# KiCad board DIP8breakout+potToUSB.kicad_pcb (continued)
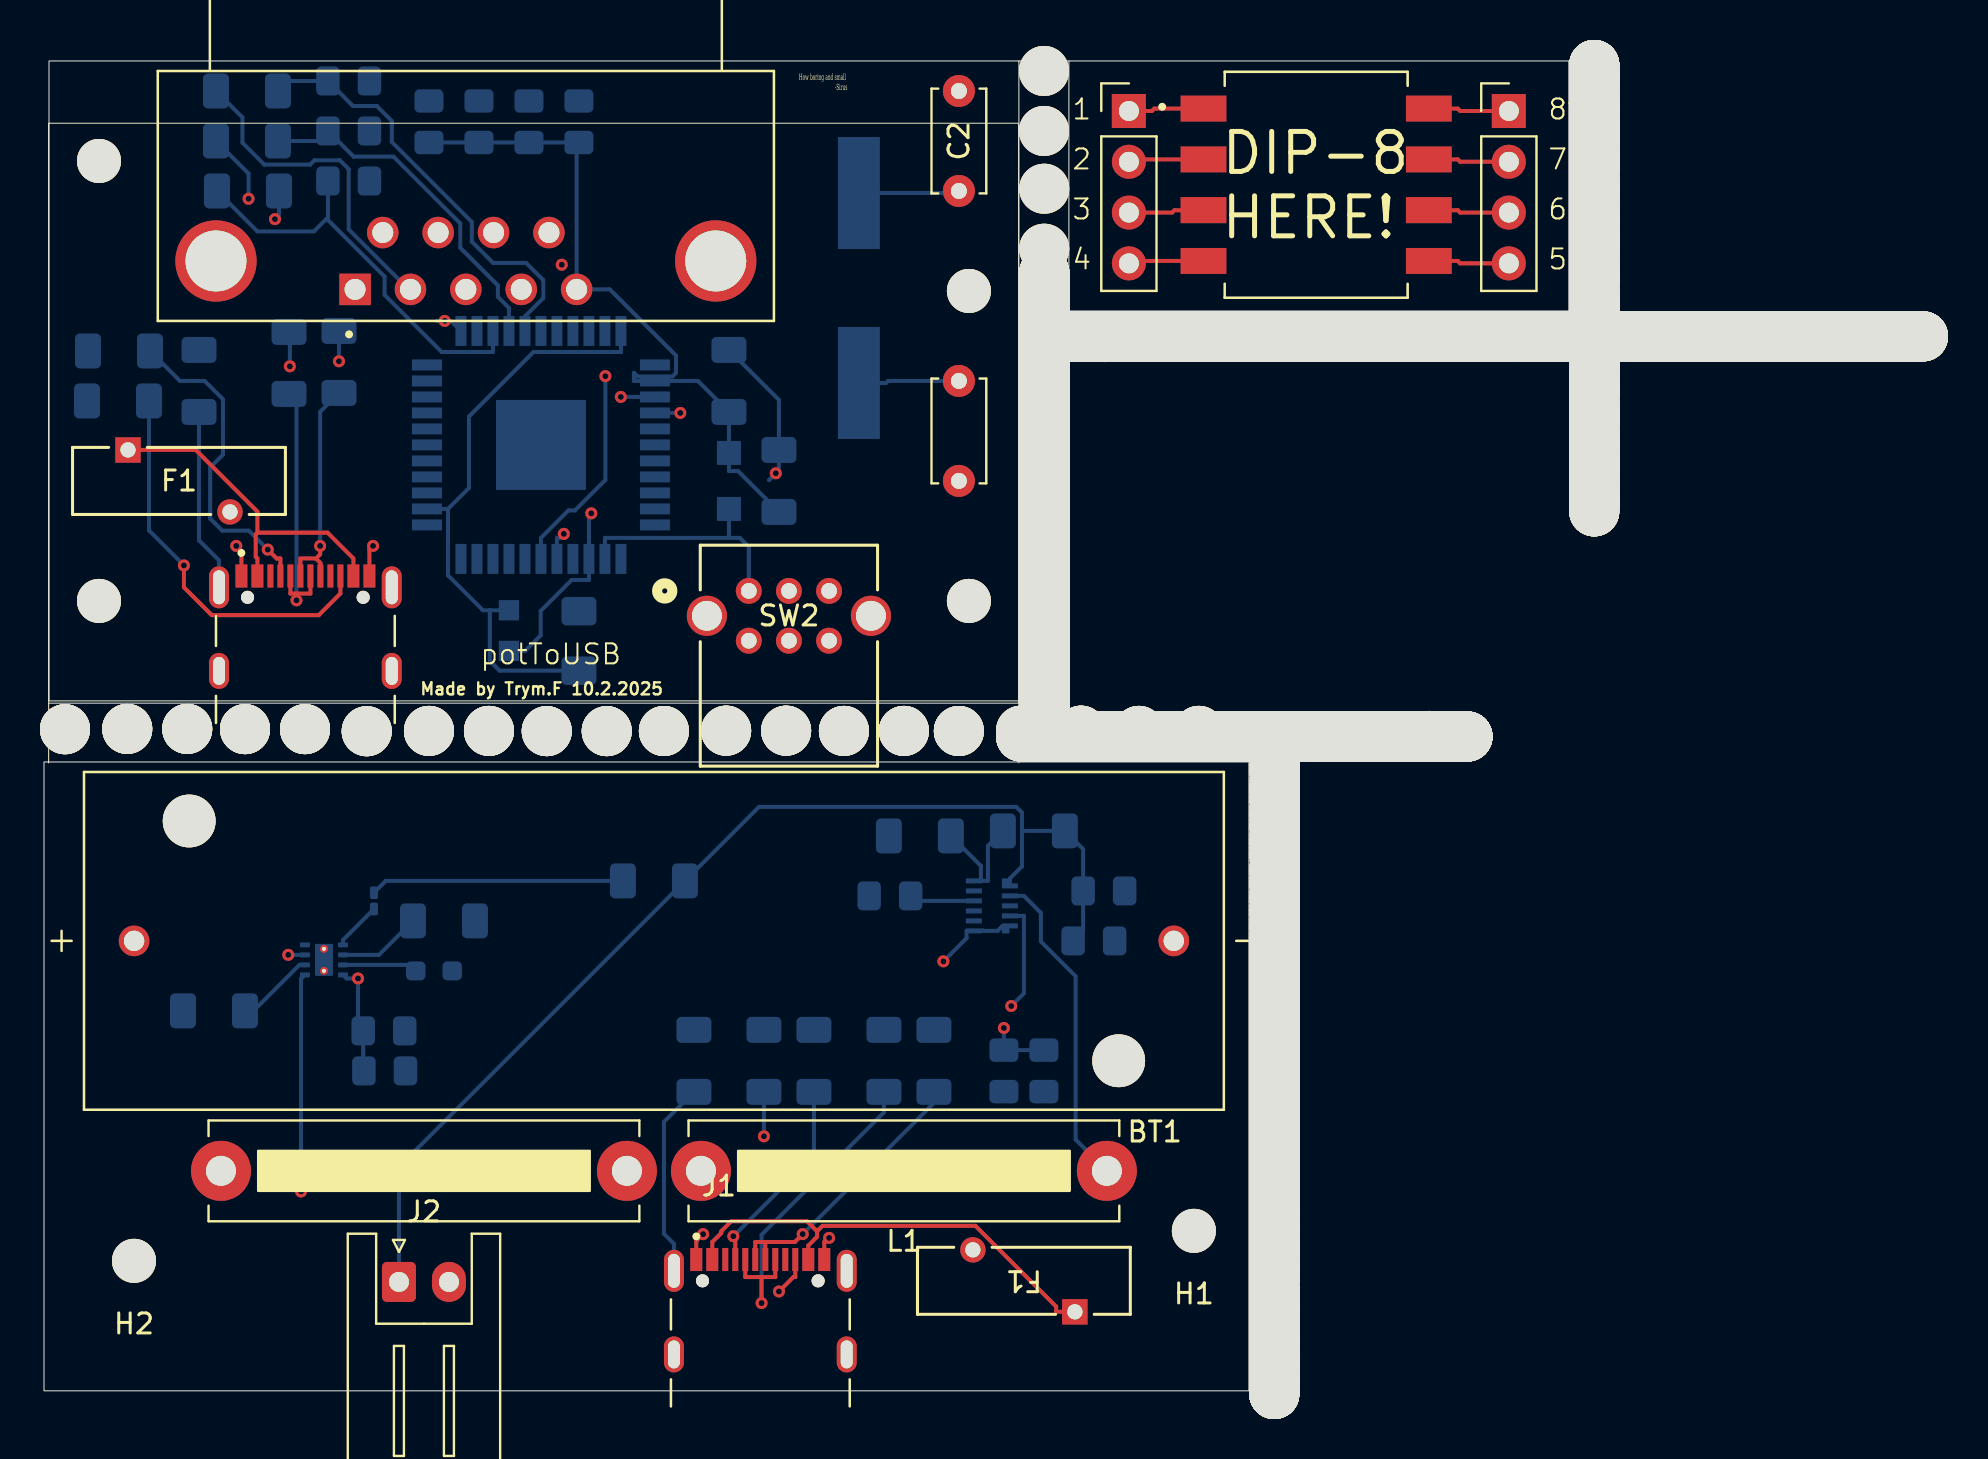
[diagram p0: board, top side]
## Placement (name value [footprint] x y rotation side) (continued)
NOREF#4409  -  [unnamed]  83.76 52.73 180 top
NOREF#4410  -  [unnamed]  73.04 52.73 180 top
NOREF#4411  -  [unnamed]  62.58 52.73 180 top
NOREF#4412  -  [unnamed]  61.52 11.1 270 top
NOREF#4413  -  [unnamed]  50.02 40.09 90 top
NOREF#4414  -  [unnamed]  53.22 32.72 0 top
NOREF#4415  -  [unnamed]  61.52 7.28 270 top
NOREF#4416  -  [unnamed]  50.02 43.05 90 top
NOREF#4417  -  [unnamed]  93.76 52.73 180 top
NOREF#4418  -  [unnamed]  61.55 15.03 90 top
NOREF#4419  -  [unnamed]  83.3 52.73 180 top
NOREF#4420  -  [unnamed]  50.02 40.83 90 top
NOREF#4421  -  [unnamed]  61.52 21.76 270 top
NOREF#4422  -  [unnamed]  50.02 41.49 90 top
NOREF#4423  -  [unnamed]  61.78 52.73 180 top
NOREF#4424  -  [unnamed]  77.52 51.68 90 top
NOREF#4425  -  [unnamed]  77.52 57.04 90 top
NOREF#4426  -  [unnamed]  61.55 30.13 90 top
NOREF#4427  -  [unnamed]  50.02 43.99 90 top
NOREF#4428  -  [unnamed]  53.38 52.73 180 top
NOREF#4429  -  [unnamed]  72.78 52.73 180 top
NOREF#4430  -  [unnamed]  61.52 7.08 270 top
NOREF#4431  -  [unnamed]  61.52 1.1 270 top
NOREF#4432  -  [unnamed]  61.55 12.97 90 top
NOREF#4433  -  [unnamed]  61.58 52.73 180 top
NOREF#4434  -  [unnamed]  61.52 11.5 270 top
NOREF#4435  -  [unnamed]  61.52 11.3 270 top
NOREF#4436  -  [unnamed]  50.02 50.89 90 top
NOREF#4437  -  [unnamed]  86.72 52.73 180 top
NOREF#4438  -  [unnamed]  52.52 52.73 180 top
NOREF#4439  -  [unnamed]  61.52 9.5 270 top
NOREF#4440  -  [unnamed]  50.02 34.45 90 top
NOREF#4441  -  [unnamed]  89.4 52.73 180 top
NOREF#4442  -  [unnamed]  61.55 17.05 90 top
NOREF#4443  -  [unnamed]  87.26 52.73 180 top
NOREF#4444  -  [unnamed]  50.02 43.79 90 top
NOREF#4445  -  [unnamed]  61.52 9.84 270 top
NOREF#4446  -  [unnamed]  73.9 52.73 180 top
NOREF#4447  -  [unnamed]  61.55 28.97 90 top
NOREF#4448  -  [unnamed]  78.88 52.73 180 top
NOREF#4449  -  [unnamed]  77.52 54.64 90 top
NOREF#4450  -  [unnamed]  50.02 55.91 90 top
NOREF#4451  -  [unnamed]  77.48 52.73 180 top
NOREF#4452  -  [unnamed]  61.55 10.87 90 top
NOREF#4453  -  [unnamed]  62.58 32.72 0 top
NOREF#4454  -  [unnamed]  70.12 32.72 0 top
NOREF#4455  -  [unnamed]  71.38 52.73 180 top
NOREF#4456  -  [unnamed]  82.5 52.73 180 top
NOREF#4457  -  [unnamed]  61.55 10.87 90 top
NOREF#4458  -  [unnamed]  61.55 26.09 90 top
NOREF#4459  -  [unnamed]  55.76 32.72 0 top
NOREF#4460  -  [unnamed]  77.68 52.73 180 top
NOREF#4461  -  [unnamed]  61.55 31.93 90 top
NOREF#4462  -  [unnamed]  65.54 52.73 180 top
NOREF#4463  -  [unnamed]  50.02 45.45 90 top
NOREF#4464  -  [unnamed]  61.18 32.72 0 top
NOREF#4465  -  [unnamed]  61.55 28.51 90 top
NOREF#4466  -  [unnamed]  77.52 46.04 90 top
NOREF#4467  -  [unnamed]  61.32 52.73 180 top
NOREF#4468  -  [unnamed]  77.52 47.8 90 top
NOREF#4469  -  [unnamed]  92.16 52.73 180 top
NOREF#4470  -  [unnamed]  50.02 54.85 90 top
NOREF#4471  -  [unnamed]  77.52 46.24 90 top
NOREF#4472  -  [unnamed]  77.52 64.04 90 top
NOREF#4473  -  [unnamed]  80.7 52.73 180 top
NOREF#4474  -  [unnamed]  55.94 52.73 180 top
NOREF#4475  -  [unnamed]  61.55 10.21 90 top
NOREF#4476  -  [unnamed]  74.1 52.73 180 top
NOREF#4477  -  [unnamed]  59.72 52.73 180 top
NOREF#4478  -  [unnamed]  61.55 31.07 90 top
NOREF#4479  -  [unnamed]  61.52 3.26 270 top
NOREF#4480  -  [unnamed]  74.1 52.73 180 top
NOREF#4481  -  [unnamed]  62.18 52.73 180 top
NOREF#4482  -  [unnamed]  50.02 41.69 90 top
NOREF#4483  -  [unnamed]  59.02 52.73 180 top
NOREF#4484  -  [unnamed]  61.55 11.21 90 top
NOREF#4485  -  [unnamed]  50.02 44.25 90 top
NOREF#4486  -  [unnamed]  50.02 41.69 90 top
NOREF#4487  -  [unnamed]  77.52 66.1 90 top
NOREF#4488  -  [unnamed]  60.72 32.72 0 top
NOREF#4489  -  [unnamed]  77.52 48.34 90 top
NOREF#4490  -  [unnamed]  61.52 21.1 270 top
NOREF#4491  -  [unnamed]  61.52 4.86 270 top
NOREF#4492  -  [unnamed]  59.52 52.73 180 top
NOREF#4493  -  [unnamed]  50.02 54.11 90 top
NOREF#4494  -  [unnamed]  57.46 32.72 0 top
NOREF#4495  -  [unnamed]  89.2 52.73 180 top
NOREF#4496  -  [unnamed]  68.02 52.73 180 top
NOREF#4497  -  [unnamed]  61.78 52.73 180 top
NOREF#4498  -  [unnamed]  77.52 45.38 90 top
NOREF#4499  -  [unnamed]  61.52 12.9 270 top
NOREF#4500  -  [unnamed]  77.52 49.82 90 top
NOREF#4501  -  [unnamed]  54.08 32.72 0 top
NOREF#4502  -  [unnamed]  61.52 19.7 270 top
NOREF#4503  -  [unnamed]  70.98 52.73 180 top
NOREF#4504  -  [unnamed]  50.02 52.29 90 top
NOREF#4505  -  [unnamed]  50.02 34.45 90 top
NOREF#4506  -  [unnamed]  61.52 19 270 top
NOREF#4507  -  [unnamed]  49.92 32.72 0 top
NOREF#4508  -  [unnamed]  61.55 27.11 90 top
NOREF#4509  -  [unnamed]  77.52 54.18 90 top
NOREF#4510  -  [unnamed]  73.24 52.73 180 top
NOREF#4511  -  [unnamed]  55.76 32.72 0 top
NOREF#4512  -  [unnamed]  61.52 4.2 270 top
NOREF#4513  -  [unnamed]  59.92 52.73 180 top
NOREF#4514  -  [unnamed]  61.52 20.36 270 top
NOREF#4515  -  [unnamed]  62.58 52.73 180 top
NOREF#4516  -  [unnamed]  77.52 49 90 top
NOREF#4517  -  [unnamed]  63.24 52.73 180 top
NOREF#4518  -  [unnamed]  54.28 52.73 180 top
NOREF#4519  -  [unnamed]  77.52 60.66 90 top
NOREF#4520  -  [unnamed]  53.38 52.73 180 top
NOREF#4521  -  [unnamed]  77.52 51.88 90 top
NOREF#4522  -  [unnamed]  59.06 32.72 0 top
NOREF#4523  -  [unnamed]  75.26 52.73 180 top
NOREF#4524  -  [unnamed]  61.98 52.73 180 top
NOREF#4525  -  [unnamed]  57.82 52.73 180 top
NOREF#4526  -  [unnamed]  55.68 52.73 180 top
NOREF#4527  -  [unnamed]  81.84 52.73 180 top
NOREF#4528  -  [unnamed]  72.38 52.73 180 top
NOREF#4529  -  [unnamed]  55.56 32.72 0 top
NOREF#4530  -  [unnamed]  77.52 64.5 90 top
NOREF#4531  -  [unnamed]  61.52 13.36 270 top
NOREF#4532  -  [unnamed]  51.32 32.72 0 top
NOREF#4533  -  [unnamed]  65.34 52.73 180 top
NOREF#4534  -  [unnamed]  49.06 32.72 0 top
NOREF#4535  -  [unnamed]  50.02 49.67 90 top
NOREF#4536  -  [unnamed]  77.52 63.34 90 top
NOREF#4537  -  [unnamed]  90.14 52.73 180 top
NOREF#4538  -  [unnamed]  77.52 61.08 90 top
NOREF#4539  -  [unnamed]  61.52 20.56 270 top
NOREF#4540  -  [unnamed]  54.9 32.72 0 top
NOREF#4541  -  [unnamed]  61.52 21.56 270 top
NOREF#4542  -  [unnamed]  56.96 52.73 180 top
NOREF#4543  -  [unnamed]  50.02 48.67 90 top
NOREF#4544  -  [unnamed]  50.02 39.63 90 top
NOREF#4545  -  [unnamed]  79.54 52.73 180 top
NOREF#4546  -  [unnamed]  73.24 52.73 180 top
NOREF#4547  -  [unnamed]  77.52 50.22 90 top
NOREF#4548  -  [unnamed]  77.52 44.58 90 top
NOREF#4549  -  [unnamed]  60.38 52.73 180 top
NOREF#4550  -  [unnamed]  50.02 45.25 90 top
NOREF#4551  -  [unnamed]  50.02 45.71 90 top
NOREF#4552  -  [unnamed]  61.55 15.65 90 top
NOREF#4553  -  [unnamed]  61.55 10.01 90 top
NOREF#4554  -  [unnamed]  61.52 20.56 270 top
NOREF#4555  -  [unnamed]  61.52 4.2 270 top
NOREF#4556  -  [unnamed]  61.52 5.48 270 top
NOREF#4557  -  [unnamed]  79.34 52.73 180 top
NOREF#4558  -  [unnamed]  61.52 20.36 270 top
NOREF#4559  -  [unnamed]  50.02 55.25 90 top
NOREF#4560  -  [unnamed]  73.9 52.73 180 top
NOREF#4561  -  [unnamed]  61.52 17.4 270 top
NOREF#4562  -  [unnamed]  76 52.73 180 top
NOREF#4563  -  [unnamed]  56.3 32.72 0 top
NOREF#4564  -  [unnamed]  73.9 52.73 180 top
NOREF#4565  -  [unnamed]  62.38 32.72 0 top
NOREF#4566  -  [unnamed]  77.52 47.14 90 top
NOREF#4567  -  [unnamed]  59.52 32.72 0 top
NOREF#4568  -  [unnamed]  50.02 40.29 90 top
NOREF#4569  -  [unnamed]  71.84 52.73 180 top
NOREF#4570  -  [unnamed]  77.52 45.24 90 top
NOREF#4571  -  [unnamed]  57.46 32.72 0 top
NOREF#4572  -  [unnamed]  61.52 17.14 270 top
NOREF#4573  -  [unnamed]  50.02 46.65 90 top
NOREF#4574  -  [unnamed]  52.92 52.73 180 top
NOREF#4575  -  [unnamed]  61.52 2.8 270 top
NOREF#4576  -  [unnamed]  77.52 50.02 90 top
NOREF#4577  -  [unnamed]  50.02 49.87 90 top
NOREF#4578  -  [unnamed]  75 52.73 180 top
NOREF#4579  -  [unnamed]  54.9 32.72 0 top
NOREF#4580  -  [unnamed]  51.52 32.72 0 top
NOREF#4581  -  [unnamed]  55.9 32.72 0 top
NOREF#4582  -  [unnamed]  50.02 40.29 90 top
NOREF#4583  -  [unnamed]  61.55 28.31 90 top
NOREF#4584  -  [unnamed]  70.52 32.72 0 top
NOREF#4585  -  [unnamed]  61.55 27.11 90 top
NOREF#4586  -  [unnamed]  77.52 57.24 90 top
NOREF#4587  -  [unnamed]  50.02 36.35 90 top
NOREF#4588  -  [unnamed]  50.02 43.79 90 top
NOREF#4589  -  [unnamed]  51.32 32.72 0 top
NOREF#4590  -  [unnamed]  61.52 16.32 270 top
NOREF#4591  -  [unnamed]  63.24 52.73 180 top
NOREF#4592  -  [unnamed]  64.64 52.73 180 top
NOREF#4593  -  [unnamed]  72.7 52.73 180 top
NOREF#4594  -  [unnamed]  68.72 32.72 0 top
NOREF#4595  -  [unnamed]  50.02 34.65 90 top
NOREF#4596  -  [unnamed]  50.02 36.05 90 top
NOREF#4597  -  [unnamed]  61.52 10.7 270 top
NOREF#4598  -  [unnamed]  65.34 52.73 180 top
NOREF#4599  -  [unnamed]  61.52 19 270 top
NOREF#4600  -  [unnamed]  59.52 32.72 0 top
NOREF#4601  -  [unnamed]  63.28 32.72 0 top
NOREF#4602  -  [unnamed]  81.64 52.73 180 top
NOREF#4603  -  [unnamed]  50.02 37.41 90 top
NOREF#4604  -  [unnamed]  61.52 1.1 270 top
NOREF#4605  -  [unnamed]  61.55 12.07 90 top
NOREF#4606  -  [unnamed]  73.9 52.73 180 top
NOREF#4607  -  [unnamed]  51.72 52.73 180 top
NOREF#4608  -  [unnamed]  77.52 47.34 90 top
NOREF#4609  -  [unnamed]  70.12 32.72 0 top
NOREF#4610  -  [unnamed]  61.52 21.76 270 top
NOREF#4611  -  [unnamed]  75.46 52.73 180 top
NOREF#4612  -  [unnamed]  61.55 19.61 90 top
NOREF#4613  -  [unnamed]  61.52 16.94 270 top
NOREF#4614  -  [unnamed]  61.52 4.6 270 top
NOREF#4615  -  [unnamed]  61.52 3.46 270 top
NOREF#4616  -  [unnamed]  61.55 21.73 90 top
NOREF#4617  -  [unnamed]  50.86 32.72 0 top
NOREF#4618  -  [unnamed]  57.66 32.72 0 top
NOREF#4619  -  [unnamed]  52.68 32.72 0 top
NOREF#4620  -  [unnamed]  61.55 30.13 90 top
NOREF#4621  -  [unnamed]  77.52 58.86 90 top
NOREF#4622  -  [unnamed]  52.72 52.73 180 top
NOREF#4623  -  [unnamed]  77.52 65.04 90 top
NOREF#4624  -  [unnamed]  50.02 48.67 90 top
NOREF#4625  -  [unnamed]  50.02 50.69 90 top
NOREF#4626  -  [unnamed]  61.52 6.74 270 top
NOREF#4627  -  [unnamed]  61.52 11.96 270 top
NOREF#4628  -  [unnamed]  50.02 37.95 90 top
NOREF#4629  -  [unnamed]  50.02 50.07 90 top
NOREF#4630  -  [unnamed]  81.64 52.73 180 top
NOREF#4631  -  [unnamed]  51.82 32.72 0 top
NOREF#4632  -  [unnamed]  84.96 52.73 180 top
NOREF#4633  -  [unnamed]  55.68 52.73 180 top
NOREF#4634  -  [unnamed]  50.02 49.41 90 top
NOREF#4635  -  [unnamed]  77.52 47.34 90 top
NOREF#4636  -  [unnamed]  78.14 52.73 180 top
NOREF#4637  -  [unnamed]  61.52 11.3 270 top
NOREF#4638  -  [unnamed]  58.82 52.73 180 top
NOREF#4639  -  [unnamed]  61.55 20.27 90 top
NOREF#4640  -  [unnamed]  68.88 52.73 180 top
NOREF#4641  -  [unnamed]  50.02 37.95 90 top
NOREF#4642  -  [unnamed]  50.02 39.63 90 top
NOREF#4643  -  [unnamed]  78.68 52.73 180 top
NOREF#4644  -  [unnamed]  61.55 9.81 90 top
NOREF#4645  -  [unnamed]  61.55 27.11 90 top
NOREF#4646  -  [unnamed]  77.52 58.2 90 top
NOREF#4647  -  [unnamed]  71.64 52.73 180 top
NOREF#4648  -  [unnamed]  91.3 52.73 180 top
NOREF#4649  -  [unnamed]  77.52 47.8 90 top
NOREF#4650  -  [unnamed]  75.26 52.73 180 top
NOREF#4651  -  [unnamed]  61.52 15.26 270 top
NOREF#4652  -  [unnamed]  50.02 34.45 90 top
NOREF#4653  -  [unnamed]  61.55 17.71 90 top
NOREF#4654  -  [unnamed]  57.62 52.73 180 top
NOREF#4655  -  [unnamed]  65.96 32.72 0 top
NOREF#4656  -  [unnamed]  77.52 62.94 90 top
NOREF#4657  -  [unnamed]  56.96 52.73 180 top
NOREF#4658  -  [unnamed]  61.52 12.7 270 top
NOREF#4659  -  [unnamed]  79.74 52.73 180 top
NOREF#4660  -  [unnamed]  61.55 24.69 90 top
NOREF#4661  -  [unnamed]  77.52 61.28 90 top
NOREF#4662  -  [unnamed]  77.94 52.73 180 top
NOREF#4663  -  [unnamed]  77.52 49.4 90 top
NOREF#4664  -  [unnamed]  61.55 12.07 90 top
NOREF#4665  -  [unnamed]  61.52 10.5 270 top
NOREF#4666  -  [unnamed]  83.56 52.73 180 top
NOREF#4667  -  [unnamed]  84.3 52.73 180 top
NOREF#4668  -  [unnamed]  60.52 32.72 0 top
NOREF#4669  -  [unnamed]  50.02 37.21 90 top
NOREF#4670  -  [unnamed]  92.36 52.73 180 top
NOREF#4671  -  [unnamed]  61.52 2.8 270 top
NOREF#4672  -  [unnamed]  77.52 61.08 90 top
NOREF#4673  -  [unnamed]  61.52 0.9 270 top
NOREF#4674  -  [unnamed]  61.55 13.03 90 top
NOREF#4675  -  [unnamed]  51.12 32.72 0 top
NOREF#4676  -  [unnamed]  61.55 17.05 90 top
NOREF#4677  -  [unnamed]  79.54 52.73 180 top
NOREF#4678  -  [unnamed]  51.98 52.73 180 top
NOREF#4679  -  [unnamed]  61.55 25.23 90 top
NOREF#4680  -  [unnamed]  84.5 52.73 180 top
NOREF#4681  -  [unnamed]  77.52 45.78 90 top
NOREF#4682  -  [unnamed]  61.55 27.11 90 top
NOREF#4683  -  [unnamed]  61.55 19.27 90 top
NOREF#4684  -  [unnamed]  61.52 18.34 270 top
NOREF#4685  -  [unnamed]  66 52.73 180 top
NOREF#4686  -  [unnamed]  63.44 52.73 180 top
NOREF#4687  -  [unnamed]  72.7 52.73 180 top
NOREF#4688  -  [unnamed]  70.98 32.72 0 top
NOREF#4689  -  [unnamed]  77.52 59.06 90 top
NOREF#4690  -  [unnamed]  82.3 52.73 180 top
NOREF#4691  -  [unnamed]  58.66 32.72 0 top
NOREF#4692  -  [unnamed]  50.02 46.85 90 top
NOREF#4693  -  [unnamed]  61.55 11.61 90 top
NOREF#4694  -  [unnamed]  50.02 50.07 90 top
NOREF#4695  -  [unnamed]  61.52 17.14 270 top
NOREF#4696  -  [unnamed]  77.52 59.8 90 top
NOREF#4697  -  [unnamed]  77.52 47.8 90 top
NOREF#4698  -  [unnamed]  77.52 59.06 90 top
NOREF#4699  -  [unnamed]  77.52 66.3 90 top
NOREF#4700  -  [unnamed]  64.88 32.72 0 top
NOREF#4701  -  [unnamed]  77.52 59.8 90 top
NOREF#4702  -  [unnamed]  77.52 46.04 90 top
NOREF#4703  -  [unnamed]  79.54 52.73 180 top
NOREF#4704  -  [unnamed]  50.02 50.89 90 top
NOREF#4705  -  [unnamed]  59.72 32.72 0 top
NOREF#4706  -  [unnamed]  52.48 32.72 0 top
NOREF#4707  -  [unnamed]  52.92 52.73 180 top
NOREF#4708  -  [unnamed]  61.55 16.31 90 top
NOREF#4709  -  [unnamed]  77.52 49.2 90 top
NOREF#4710  -  [unnamed]  70.08 52.73 180 top
NOREF#4711  -  [unnamed]  50.02 50.89 90 top
NOREF#4712  -  [unnamed]  54.54 52.73 180 top
NOREF#4713  -  [unnamed]  91.96 52.73 180 top
NOREF#4714  -  [unnamed]  53.78 52.73 180 top
NOREF#4715  -  [unnamed]  61.52 4.66 270 top
NOREF#4716  -  [unnamed]  82.1 52.73 180 top
NOREF#4717  -  [unnamed]  63.44 52.73 180 top
NOREF#4718  -  [unnamed]  61.55 23.53 90 top
NOREF#4719  -  [unnamed]  50.02 41.89 90 top
NOREF#4720  -  [unnamed]  61.55 19.07 90 top
NOREF#4721  -  [unnamed]  61.52 12.7 270 top
NOREF#4722  -  [unnamed]  49.26 32.72 0 top
NOREF#4723  -  [unnamed]  67.6 52.73 180 top
NOREF#4724  -  [unnamed]  50.46 32.72 0 top
NOREF#4725  -  [unnamed]  61.52 5.26 270 top
NOREF#4726  -  [unnamed]  77.52 50.48 90 top
NOREF#4727  -  [unnamed]  85.66 52.73 180 top
NOREF#4728  -  [unnamed]  56.14 52.73 180 top
NOREF#4729  -  [unnamed]  61.55 17.51 90 top
NOREF#4730  -  [unnamed]  62.78 52.73 180 top
NOREF#4731  -  [unnamed]  58.56 52.73 180 top
NOREF#4732  -  [unnamed]  77.28 52.73 180 top
NOREF#4733  -  [unnamed]  63.94 32.72 0 top
NOREF#4734  -  [unnamed]  61.78 52.73 180 top
NOREF#4735  -  [unnamed]  83.76 52.73 180 top
NOREF#4736  -  [unnamed]  88.54 52.73 180 top
NOREF#4737  -  [unnamed]  66 52.73 180 top
NOREF#4738  -  [unnamed]  77.52 64.7 90 top
NOREF#4739  -  [unnamed]  61.72 32.72 0 top
NOREF#4740  -  [unnamed]  66.2 52.73 180 top
NOREF#4741  -  [unnamed]  68.22 32.72 0 top
NOREF#4742  -  [unnamed]  61.52 17.34 270 top
NOREF#4743  -  [unnamed]  61.55 17.51 90 top
NOREF#4744  -  [unnamed]  77.52 54.64 90 top
NOREF#4745  -  [unnamed]  61.52 6.34 270 top
NOREF#4746  -  [unnamed]  77.52 54.64 90 top
NOREF#4747  -  [unnamed]  61.52 20.9 270 top
NOREF#4748  -  [unnamed]  70.98 52.73 180 top
NOREF#4749  -  [unnamed]  50.02 48.47 90 top
NOREF#4750  -  [unnamed]  61.52 8.24 270 top
NOREF#4751  -  [unnamed]  61.55 14.83 90 top
NOREF#4752  -  [unnamed]  50.02 36.75 90 top
NOREF#4753  -  [unnamed]  50.02 41.69 90 top
NOREF#4754  -  [unnamed]  84.96 52.73 180 top
NOREF#4755  -  [unnamed]  50.02 46.65 90 top
NOREF#4756  -  [unnamed]  50.02 48.21 90 top
NOREF#4757  -  [unnamed]  93.56 52.73 180 top
NOREF#4758  -  [unnamed]  61.52 17.6 270 top
NOREF#4759  -  [unnamed]  49.26 32.72 0 top
NOREF#4760  -  [unnamed]  72.18 52.73 180 top
NOREF#4761  -  [unnamed]  77.52 52.78 90 top
NOREF#4762  -  [unnamed]  61.52 4.86 270 top
NOREF#4763  -  [unnamed]  69.28 52.73 180 top
NOREF#4764  -  [unnamed]  61.52 14.72 270 top
NOREF#4765  -  [unnamed]  61.52 14.26 270 top
NOREF#4766  -  [unnamed]  59.92 32.72 0 top
NOREF#4767  -  [unnamed]  77.52 61.74 90 top
NOREF#4768  -  [unnamed]  61.52 15.46 270 top
NOREF#4769  -  [unnamed]  85.16 52.73 180 top
NOREF#4770  -  [unnamed]  61.52 19 270 top
NOREF#4771  -  [unnamed]  50.02 49.41 90 top
NOREF#4772  -  [unnamed]  55.56 32.72 0 top
NOREF#4773  -  [unnamed]  61.55 10.01 90 top
NOREF#4774  -  [unnamed]  61.55 21.73 90 top
NOREF#4775  -  [unnamed]  61.55 25.23 90 top
NOREF#4776  -  [unnamed]  62.78 52.73 180 top
NOREF#4777  -  [unnamed]  61.52 2.1 270 top
NOREF#4778  -  [unnamed]  53.38 52.73 180 top
NOREF#4779  -  [unnamed]  57.66 32.72 0 top
NOREF#4780  -  [unnamed]  61.55 11.41 90 top
NOREF#4781  -  [unnamed]  61.52 1.24 270 top
NOREF#4782  -  [unnamed]  61.52 21.1 270 top
NOREF#4783  -  [unnamed]  59.22 52.73 180 top
NOREF#4784  -  [unnamed]  50.02 34.65 90 top
NOREF#4785  -  [unnamed]  64.88 32.72 0 top
NOREF#4786  -  [unnamed]  54.48 52.73 180 top
NOREF#4787  -  [unnamed]  90.14 52.73 180 top
NOREF#4788  -  [unnamed]  59.92 52.73 180 top
NOREF#4789  -  [unnamed]  77.52 56.3 90 top
NOREF#4790  -  [unnamed]  50.02 43.25 90 top
NOREF#4791  -  [unnamed]  50.02 54.51 90 top
NOREF#4792  -  [unnamed]  50.02 54.85 90 top
NOREF#4793  -  [unnamed]  70.52 32.72 0 top
NOREF#4794  -  [unnamed]  61.52 8.24 270 top
NOREF#4795  -  [unnamed]  61.55 26.71 90 top
NOREF#4796  -  [unnamed]  50.02 48.87 90 top
NOREF#4797  -  [unnamed]  53.38 52.73 180 top
NOREF#4798  -  [unnamed]  61.52 11.76 270 top
NOREF#4799  -  [unnamed]  61.52 18 270 top
NOREF#4800  -  [unnamed]  61.12 52.73 180 top
NOREF#4801  -  [unnamed]  50.02 53.65 90 top
NOREF#4802  -  [unnamed]  61.55 18.41 90 top
NOREF#4803  -  [unnamed]  77.52 55.44 90 top
NOREF#4804  -  [unnamed]  50.02 38.15 90 top
NOREF#4805  -  [unnamed]  49.26 32.72 0 top
NOREF#4806  -  [unnamed]  51.98 52.73 180 top
NOREF#4807  -  [unnamed]  50.02 53.65 90 top
NOREF#4808  -  [unnamed]  77.52 48.14 90 top
NOREF#4809  -  [unnamed]  54.7 32.72 0 top
NOREF#4810  -  [unnamed]  53.42 32.72 0 top
NOREF#4811  -  [unnamed]  92.9 52.73 180 top
NOREF#4812  -  [unnamed]  74.6 52.73 180 top
NOREF#4813  -  [unnamed]  61.55 13.77 90 top
NOREF#4814  -  [unnamed]  50.02 40.29 90 top
NOREF#4815  -  [unnamed]  50.02 39.63 90 top
NOREF#4816  -  [unnamed]  61.55 17.05 90 top
NOREF#4817  -  [unnamed]  61.55 11.41 90 top
NOREF#4818  -  [unnamed]  63.64 52.73 180 top
NOREF#4819  -  [unnamed]  61.52 9.1 270 top
NOREF#4820  -  [unnamed]  58.32 32.72 0 top
NOREF#4821  -  [unnamed]  50.02 45.91 90 top
NOREF#4822  -  [unnamed]  66.16 32.72 0 top
NOREF#4823  -  [unnamed]  56.3 32.72 0 top
NOREF#4824  -  [unnamed]  77.52 44.38 90 top
NOREF#4825  -  [unnamed]  50.02 49.41 90 top
NOREF#4826  -  [unnamed]  77.52 50.02 90 top
NOREF#4827  -  [unnamed]  50.02 45.71 90 top
NOREF#4828  -  [unnamed]  62.78 52.73 180 top
NOREF#4829  -  [unnamed]  77.52 50.28 90 top
NOREF#4830  -  [unnamed]  72.5 52.73 180 top
NOREF#4831  -  [unnamed]  66.36 32.72 0 top
NOREF#4832  -  [unnamed]  65.04 52.73 180 top
NOREF#4833  -  [unnamed]  60.98 32.72 0 top
NOREF#4834  -  [unnamed]  50.02 55.71 90 top
NOREF#4835  -  [unnamed]  67.2 52.73 180 top
NOREF#4836  -  [unnamed]  50.02 52.75 90 top
NOREF#4837  -  [unnamed]  69.08 52.73 180 top
NOREF#4838  -  [unnamed]  50.02 53.25 90 top
NOREF#4839  -  [unnamed]  71.18 52.73 180 top
NOREF#4840  -  [unnamed]  77.52 45.78 90 top
NOREF#4841  -  [unnamed]  61.55 18.41 90 top
NOREF#4842  -  [unnamed]  61.52 20.36 270 top
NOREF#4843  -  [unnamed]  59.32 32.72 0 top
NOREF#4844  -  [unnamed]  77.52 58 90 top
NOREF#4845  -  [unnamed]  69.58 32.72 0 top
NOREF#4846  -  [unnamed]  61.52 10.24 270 top
NOREF#4847  -  [unnamed]  61.55 25.63 90 top
NOREF#4848  -  [unnamed]  61.55 13.97 90 top
NOREF#4849  -  [unnamed]  71.64 52.73 180 top
NOREF#4850  -  [unnamed]  54.74 52.73 180 top
NOREF#4851  -  [unnamed]  52.72 52.73 180 top
NOREF#4852  -  [unnamed]  61.72 32.72 0 top
NOREF#4853  -  [unnamed]  56.96 32.72 0 top
NOREF#4854  -  [unnamed]  50.02 45.25 90 top
NOREF#4855  -  [unnamed]  59.72 32.72 0 top
NOREF#4856  -  [unnamed]  77.52 57.9 90 top
NOREF#4857  -  [unnamed]  61.52 1.44 270 top
NOREF#4858  -  [unnamed]  49.06 32.72 0 top
NOREF#4859  -  [unnamed]  50.02 36.25 90 top
NOREF#4860  -  [unnamed]  61.55 13.63 90 top
NOREF#4861  -  [unnamed]  77.52 52.08 90 top
NOREF#4862  -  [unnamed]  78.68 52.73 180 top
NOREF#4863  -  [unnamed]  50.02 38.15 90 top
NOREF#4864  -  [unnamed]  77.52 65.24 90 top
NOREF#4865  -  [unnamed]  61.52 15.66 270 top
NOREF#4866  -  [unnamed]  61.52 5.06 270 top
NOREF#4867  -  [unnamed]  58.82 52.73 180 top
NOREF#4868  -  [unnamed]  77.52 59.8 90 top
NOREF#4869  -  [unnamed]  61.55 21.27 90 top
NOREF#4870  -  [unnamed]  61.78 52.73 180 top
NOREF#4871  -  [unnamed]  50.02 41.49 90 top
NOREF#4872  -  [unnamed]  50.02 45.51 90 top
NOREF#4873  -  [unnamed]  50.02 42.85 90 top
NOREF#4874  -  [unnamed]  77.52 44.84 90 top
NOREF#4875  -  [unnamed]  61.55 29.27 90 top
NOREF#4876  -  [unnamed]  61.55 25.69 90 top
NOREF#4877  -  [unnamed]  50.02 43.59 90 top
NOREF#4878  -  [unnamed]  61.55 28.97 90 top
NOREF#4879  -  [unnamed]  61.55 9.81 90 top
NOREF#4880  -  [unnamed]  90.14 52.73 180 top
NOREF#4881  -  [unnamed]  61.55 14.83 90 top
NOREF#4882  -  [unnamed]  61.52 15.46 270 top
NOREF#4883  -  [unnamed]  50.02 51.35 90 top
NOREF#4884  -  [unnamed]  57.42 52.73 180 top
NOREF#4885  -  [unnamed]  60.32 32.72 0 top
NOREF#4886  -  [unnamed]  61.55 23.33 90 top
NOREF#4887  -  [unnamed]  61.52 3.46 270 top
NOREF#4888  -  [unnamed]  61.55 14.37 90 top
NOREF#4889  -  [unnamed]  50.02 48.67 90 top
NOREF#4890  -  [unnamed]  61.52 16.32 270 top
NOREF#4891  -  [unnamed]  86.26 52.73 180 top
NOREF#4892  -  [unnamed]  90.14 52.73 180 top
NOREF#4893  -  [unnamed]  77.52 52.78 90 top
NOREF#4894  -  [unnamed]  61.52 14.72 270 top
NOREF#4895  -  [unnamed]  77.52 55.24 90 top
NOREF#4896  -  [unnamed]  77.52 63.54 90 top
NOREF#4897  -  [unnamed]  61.52 6.74 270 top
NOREF#4898  -  [unnamed]  80.24 52.73 180 top
NOREF#4899  -  [unnamed]  61.55 28.97 90 top
NOREF#4900  -  [unnamed]  85.56 52.73 180 top
NOREF#4901  -  [unnamed]  50.02 40.63 90 top
NOREF#4902  -  [unnamed]  77.52 59.06 90 top
NOREF#4903  -  [unnamed]  50.02 45.45 90 top
NOREF#4904  -  [unnamed]  83.3 52.73 180 top
NOREF#4905  -  [unnamed]  92.9 52.73 180 top
NOREF#4906  -  [unnamed]  84.5 52.73 180 top
NOREF#4907  -  [unnamed]  50.02 50.89 90 top
NOREF#4908  -  [unnamed]  84.7 52.73 180 top
NOREF#4909  -  [unnamed]  61.52 19.9 270 top
NOREF#4910  -  [unnamed]  61.52 8.64 270 top
NOREF#4911  -  [unnamed]  63.78 52.73 180 top
NOREF#4912  -  [unnamed]  61.52 2.6 270 top
NOREF#4913  -  [unnamed]  61.55 18.41 90 top
NOREF#4914  -  [unnamed]  50.02 53.65 90 top
NOREF#4915  -  [unnamed]  50.02 46.65 90 top
NOREF#4916  -  [unnamed]  68.02 32.72 0 top
NOREF#4917  -  [unnamed]  77.52 65.44 90 top
NOREF#4918  -  [unnamed]  51.98 52.73 180 top
NOREF#4919  -  [unnamed]  67.36 32.72 0 top
NOREF#4920  -  [unnamed]  70.32 32.72 0 top
NOREF#4921  -  [unnamed]  80.24 52.73 180 top
NOREF#4922  -  [unnamed]  50.02 35.19 90 top
NOREF#4923  -  [unnamed]  85.16 52.73 180 top
NOREF#4924  -  [unnamed]  61.55 10.67 90 top
NOREF#4925  -  [unnamed]  50.02 35.19 90 top
NOREF#4926  -  [unnamed]  50.02 52.09 90 top
NOREF#4927  -  [unnamed]  77.52 44.38 90 top
NOREF#4928  -  [unnamed]  61.55 15.65 90 top
NOREF#4929  -  [unnamed]  58.12 32.72 0 top
NOREF#4930  -  [unnamed]  50.02 54.11 90 top
NOREF#4931  -  [unnamed]  61.78 52.73 180 top
NOREF#4932  -  [unnamed]  60.12 32.72 0 top
NOREF#4933  -  [unnamed]  92.16 52.73 180 top
NOREF#4934  -  [unnamed]  76.2 52.73 180 top
NOREF#4935  -  [unnamed]  50.02 38.61 90 top
NOREF#4936  -  [unnamed]  71.18 52.73 180 top
NOREF#4937  -  [unnamed]  61.52 4.86 270 top
NOREF#4938  -  [unnamed]  52.48 32.72 0 top
NOREF#4939  -  [unnamed]  61.38 32.72 0 top
NOREF#4940  -  [unnamed]  61.52 12.7 270 top
NOREF#4941  -  [unnamed]  90.8 52.73 180 top
NOREF#4942  -  [unnamed]  61.55 13.63 90 top
NOREF#4943  -  [unnamed]  65.54 52.73 180 top
NOREF#4944  -  [unnamed]  61.52 4.2 270 top
NOREF#4945  -  [unnamed]  61.55 23.53 90 top
NOREF#4946  -  [unnamed]  61.55 13.43 90 top
NOREF#4947  -  [unnamed]  61.55 10.87 90 top
NOREF#4948  -  [unnamed]  77.52 44.38 90 top
NOREF#4949  -  [unnamed]  61.52 16.94 270 top
NOREF#4950  -  [unnamed]  59.72 52.73 180 top
NOREF#4951  -  [unnamed]  50.02 53.65 90 top
NOREF#4952  -  [unnamed]  83.76 52.73 180 top
NOREF#4953  -  [unnamed]  61.55 19.81 90 top
NOREF#4954  -  [unnamed]  68.22 32.72 0 top
NOREF#4955  -  [unnamed]  77.52 62.68 90 top
NOREF#4956  -  [unnamed]  61.52 7.28 270 top
NOREF#4957  -  [unnamed]  77.52 65.9 90 top
NOREF#4958  -  [unnamed]  55.94 52.73 180 top
NOREF#4959  -  [unnamed]  50.02 51.35 90 top
NOREF#4960  -  [unnamed]  54.08 52.73 180 top
NOREF#4961  -  [unnamed]  91.5 52.73 180 top
NOREF#4962  -  [unnamed]  61.55 15.65 90 top
